# Altium PCB V1_PCB-main.PcbDoc (part 5 of 7) (continued)
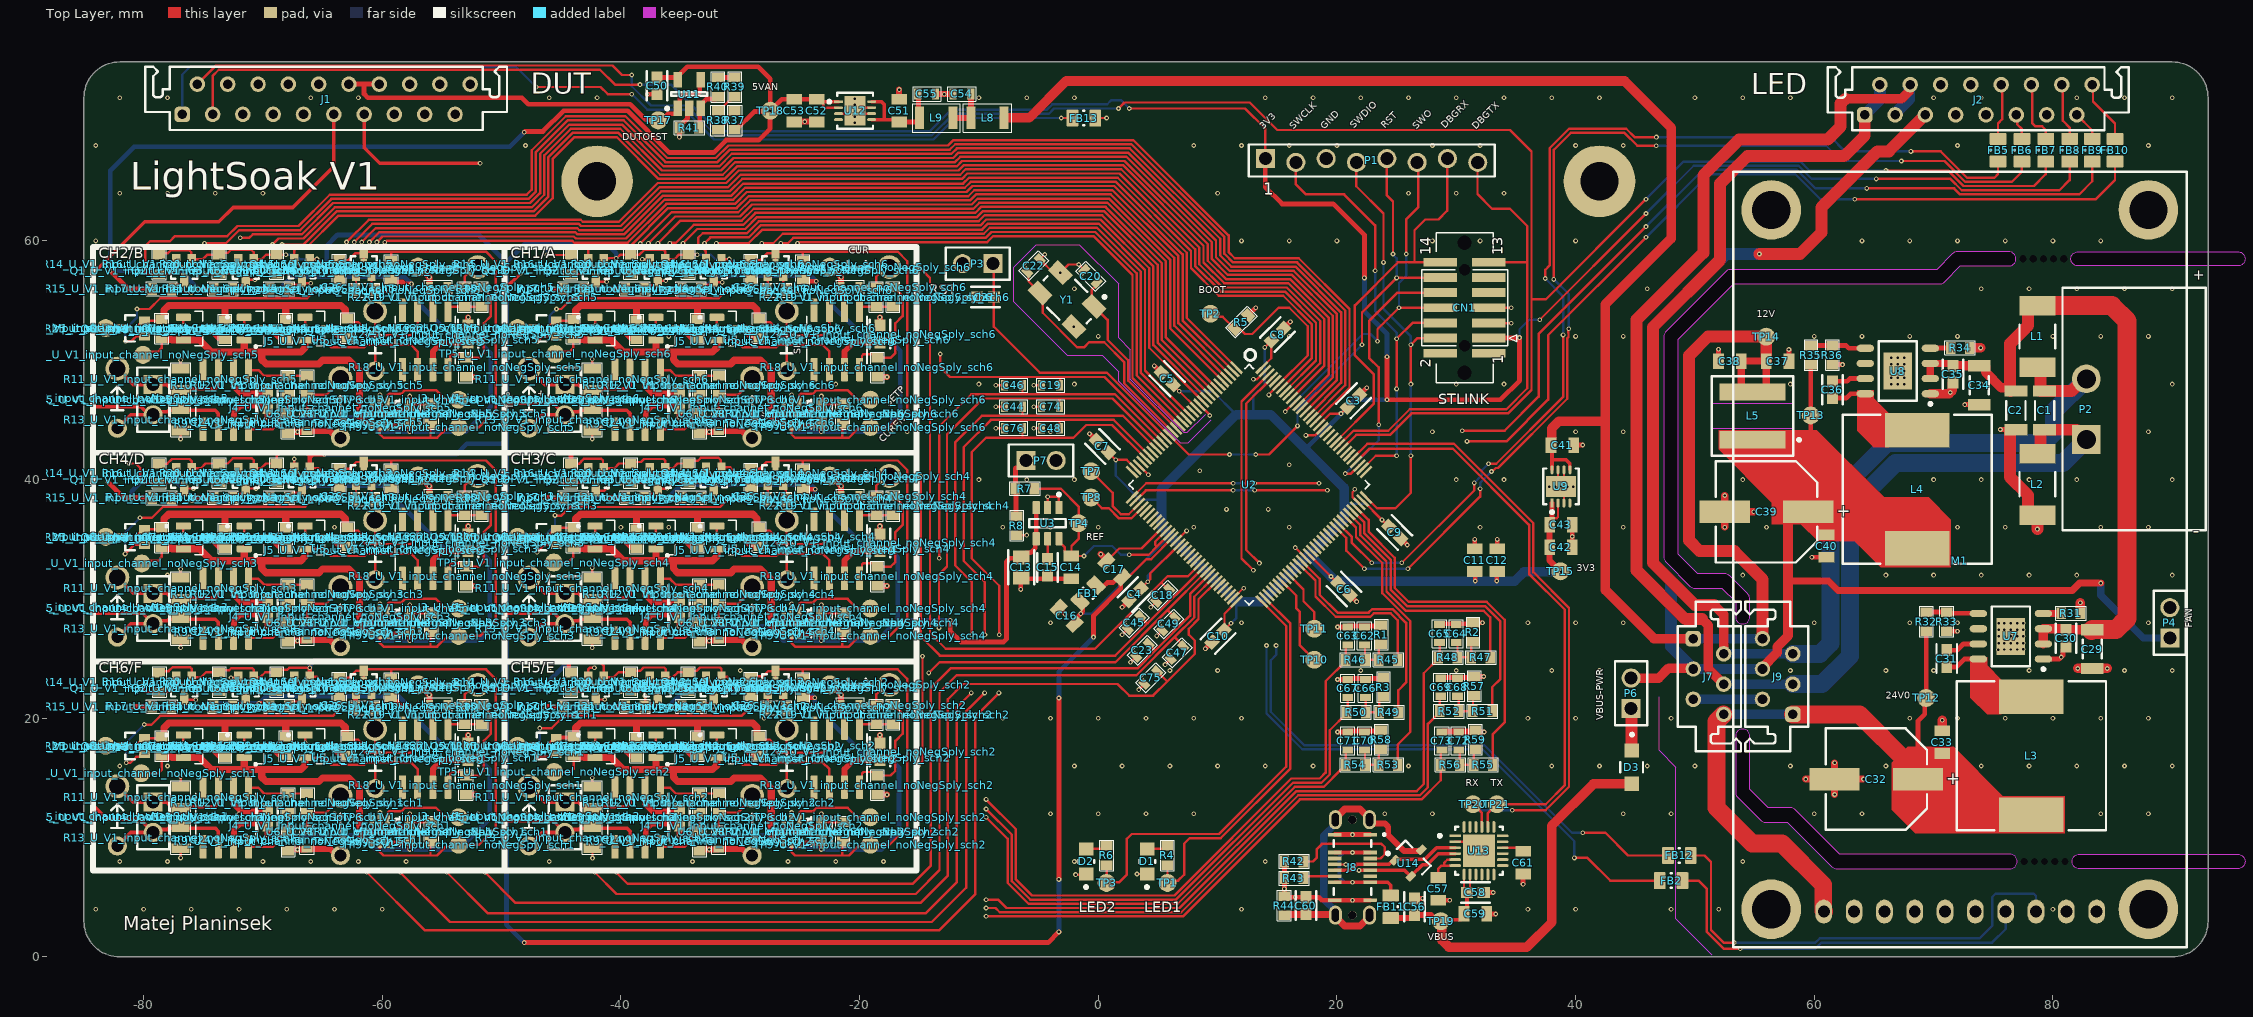
[diagram p0: Top Layer view]
## Nets (pads, with @x,y where several pads share a name; then routed paths per layer and width w, separated by ;. In a path a pad name is that pad's centre, name@x,y a point inside that pad or via, vN(x,y) a via of type N, cw(c..) or ccw(c..) an arc to the next point about the centre after c; other vN are vias at no path point) (continued)
  Inner layer 2 w0.2: v1(19.2,39.1) 20.4,37.9 25.6,37.9 v1(30.9,43.2)
  Bottom Layer w0.2: v1(11.3,39.1) v1(13.1,39.1) ; v1(45.9,60.3) 51.2,65.6 58.4,65.6 60.5,63.5 v1(63.4,63.5)
LEDDRV-GPIO-1: FB5.1 U2.88 | length 89.5
  Top Layer w0.2: U2.88@20.186,36.264 21.25,35.2 21.25,34.7 v1(22.925,33.025) ; v1(25.425,33.025) 31.5,39.1 v1(31.5,39.725) ; v1(32.7,41.325) 33.35,41.325 38.95,46.925 v1(38.95,52.125) ; v1(37.45,56.85) 37.45,57.575 37.825,57.95 37.825,67.77 39.455,69.4 44.245,69.4 44.947,68.697 v1(46.772,68.697) ; v1(68.1,67.5) 70.6,67.5 72.8,65.3 75.1,65.3 75.4,65.6 FB5.1@75.4,66.65
  Bottom Layer w0.2: v1(22.925,33.025) v1(25.425,33.025) ; v1(31.5,39.725) 32.119,40.344 32.119,40.744 v1(32.7,41.325) ; v1(37.45,56.85) 38.95,55.35 v1(38.95,52.125) ; v1(46.772,68.697) 61.378,68.697 62.575,67.5 v1(68.1,67.5)
LEDDRV-GPIO-2: FB6.2 U2.87 | length 92.2
  Top Layer w0.2: U2.87@19.904,35.982 20.775,35.111 20.775,34.05 v1(22.3,32.525) ; v1(25.95,32.525) 32,38.575 v1(32,39.225) ; v1(32.95,40.675) 33.004,40.675 33.304,40.975 33.495,40.975 39.3,46.78 39.3,51.839 39.4,51.939 39.4,52.311 39.397,52.315 39.397,52.622 v1(39.425,52.65) ; v1(38.175,56.775) 38.175,67.625 39.6,69.05 44.1,69.05 45.175,67.975 v1(46.75,67.975) ; v1(67.3,66.7) 70.905,66.7 72.655,64.95 76.55,64.95 77.4,65.8 FB6.2@77.4,66.65
  Bottom Layer w0.2: v1(22.3,32.525) v1(25.95,32.525) ; v1(32,39.225) 32,39.725 v1(32.95,40.675) ; v1(38.175,56.775) 38.2,56.775 39.425,55.55 v1(39.425,52.65) ; v1(46.75,67.975) 61,67.975 62.275,66.7 v1(67.3,66.7)
MCU-BOOT1: R5.2 TP2.1 U2.123 | length 17.5
  Top Layer w0.2: TP2.1@9.4,53.9 9.649,53.651 10.417,53.651 R5.2@11.434,52.634 11.859,52.634 12.293,52.2 12.9,52.2 15.103,54.403 16.003,54.403 17.55,52.855 17.55,50.403 U2.123@15.11,47.963 14.3,47.153 v1(14.3,47.1)
MCU-COMMS-RX: TP20.1 U2.101 U13.21 | length 53
  Top Layer w0.2: U2.101@21.314,41.76 22.554,43 29.8,43 36.45,36.35 36.45,32.245 39.45,29.245 39.45,14.255 37.495,12.3 v1(34.7,12.3) ; v1(31.4,12.8) 32.15,12.05 U13.21@32.15,10.89
  Bottom Layer w0.2: v1(31.4,12.8) 31.9,12.3 v1(34.7,12.3)
MCU-COMMS-TX: TP21.1 U2.100 U13.20 | length 49.2
  Top Layer w0.2: U2.100@21.596,41.478 22.718,42.6 29.7,42.6 36.1,36.2 36.1,32.1 39.1,29.1 39.1,14.4 37.5,12.8 TP21.1@33.4,12.8 32.65,12.05 U13.20@32.65,10.89
MCU-NRST: C21.1 CN1.12 P1.5 P3.1 U2.21 | length 66
  Top Layer w0.2: P3.1@-8.83,58.1 -8.748,58.018 C21.1@-8.748,55.3 -8.748,52.806 -4.893,48.95 0.732,48.95 U2.21@5.949,43.733 7.582,42.1 v1(11,42.1) ; v1(13.2,42.1) 14.3,42.1 v1(16.7,44.5) ; v1(22.1,51.3) 22.1,54 v1(25,56.9) 28.628,56.9 CN1.12@28.668,56.94 ; P1.5@24.16,66.8 24.16,63.84 24.7,63.3 v1(24.7,58.9)
  Bottom Layer w0.2: v1(11,42.1) v1(13.2,42.1) ; v1(16.7,44.5) 16.7,45.9 v1(22.1,51.3) ; v1(24.7,58.9) 24.7,58.846 25,58.546 v1(25,56.9)
MCU-SWCLK: CN1.6 P1.2 U2.98 | length 37.7
  Top Layer w0.2: P1.2@16.54,66.8 16.54,64.76 17.4,63.9 20.6,63.9 23.2,61.3 v1(23.2,57.5) ; U2.98@22.16,40.914 23.246,42 v1(25,42) ; v1(25,47.6) v1(25,51.8) 26.33,53.13 CN1.6@28.668,53.13
  Bottom Layer w0.2: v1(23.2,57.5) 23.2,54.127 25,52.327 v1(25,51.8) ; v1(25,42) v1(25,47.6)
MCU-SWDIO: CN1.4 P1.4 U2.96 | length 37.2
  Top Layer w0.2: P1.4@21.62,66.8 21.62,64.58 23.9,62.3 v1(23.9,58.2) ; U2.96@22.442,38.52 23.361,37.6 24.9,37.6 26.2,38.9 v1(26.2,42) ; v1(26.2,48) v1(26.2,51.3) 26.76,51.86 CN1.4@28.668,51.86
  Bottom Layer w0.2: v1(23.9,58.2) 23.9,54.3 26.2,52 v1(26.2,51.3) ; v1(26.2,42) v1(26.2,48)
MCU-SWO: CN1.8 P1.6 U2.118 | length 32
  Top Layer w0.2: v1(15.667,45.7) U2.118@16.52,46.553 ; v1(23.4,51.6) 23.4,52.6 v1(25.2,54.4) CN1.8@28.668,54.4 ; v1(25.8,58.9) 25.8,61.8 26.8,62.8 26.8,66.7 P1.6@26.7,66.8
  Bottom Layer w0.2: v1(15.667,45.7) 22.167,52.2 22.8,52.2 v1(23.4,51.6) ; v1(25.2,54.4) 25.2,56.464 25.8,57.064 v1(25.8,58.9)
MCU-VREF: C14.2 R7.1 TP4.1 U2.43 U2.44 U3.6 | length 22
  Top Layer w0.2: R7.1@-5.346,39.246 -3.146,39.246 -1.646,37.746 TP4.1@-1.646,36.346 -1.646,35.029 -2.246,34.429 C14.2@-2.246,33.596 ; U3.6@-3.296,35.046 -3.296,34.796 -2.796,34.296 -2.796,33.946 -2.446,33.596 C14.2@-2.246,33.596 ; v1(-1.2,33.6) -2.243,33.6 C14.2@-2.246,33.596 ; v1(2.6,33.7) 4.231,33.7 4.915,34.385 ; U2.43@5.667,35.7 4.775,34.808 4.775,34.525 4.915,34.385 ; U2.44@5.949,35.418 4.915,34.385
  Bottom Layer w0.2: v1(-1.2,33.6) -0.366,34.434 1.166,34.434 1.9,33.7 v1(2.6,33.7)
MCU_DBG_RX: CN1.14 P1.7 U2.106 | length 32.4
  Top Layer w0.2: U2.106@19.904,43.169 23.1,46.366 23.1,48.8 21.5,50.4 21.5,54.6 25.11,58.21 26.5,58.21 ; CN1.14@28.668,58.21 26.5,58.21 ; P1.7@29.24,66.8 29.24,62.54 28.5,61.8 27.4,61.8 26.5,60.9 26.5,58.21
MCU_DBG_TX: CN1.13 P1.8 U2.105 | length 42.7
  Top Layer w0.2: U2.105@20.186,42.887 21.398,44.1 24.3,44.1 26.1,45.9 34.2,45.9 35.95,47.65 35.95,58.21 35.95,61.25 34.5,62.7 33,62.7 31.78,63.92 P1.8@31.78,66.8 ; CN1.13@32.732,58.21 35.93,58.21 35.95,58.19
MCU_TDI: CN1.10 U2.99 | length 22.7
  Top Layer w0.2: v1(20.7,40.5) 21.182,40.5 U2.99@21.878,41.196 ; v1(23.5,44.6) 23.5,49.4 22.7,50.2 22.7,53.3 25.07,55.67 CN1.10@28.668,55.67
  Bottom Layer w0.2: v1(20.7,40.5) 23.5,43.3 v1(23.5,44.6)
NetC15_1: C15.1 U3.5 | length 1.7
  Top Layer w0.2: C15.1@-4.246,33.348 U3.5@-4.246,35.046
NetC20_1: C20.1 U2.19 Y1.1 | length 15.3
  Top Layer w0.2: C20.1@-0.115,56.509 -0.115,56.332 -0.556,55.89 -0.556,54.723 Y1.1@-0.344,54.511 0.787,53.38 0.787,51.718 2.519,49.986 2.519,48.292 U2.19@6.513,44.297
NetC22_1: C22.1 U2.20 Y1.3 | length 20.3
  Top Layer w0.2: C22.1@-5.948,57.393 -5.842,57.286 -5.842,56.615 Y1.3@-4.87,55.642 -4.658,55.43 -4.658,53.981 -1.759,51.082 -1.193,51.082 -0.769,51.506 0.504,51.506 2.169,49.842 2.169,48.078 U2.20@6.231,44.015
NetC31_1: C31.1 U7.7 | length 2.9
  Top Layer w0.4: C31.1@71.1,25.702 71.977,25.702 72.505,26.23 U7.7@73.75,26.23
NetC31_2: C31.2 L3.1 U7.8 | length 2.9
  Top Layer w0.4: C31.2@71.1,24.298 71.923,24.298 72.585,24.96 U7.8@73.75,24.96
NetC36_1: C36.1 U8.7 | length 2.8
  Top Layer w0.4: C36.1@61.525,48.237 62.762,48.237 62.99,48.465 U8.7@64.275,48.465
NetC36_2: C36.2 L4.1 U8.8 | length 2.9
  Top Layer w0.4: C36.2@61.525,46.833 62.683,46.833 63.045,47.195 U8.8@64.275,47.195
NetC51_2: C51.2 C55.2 L9.2 U12.5 U12.8 | length 8.9
  Top Layer w0.3: U12.5@-18.994,70.166 -17.938,70.166 ; U12.8@-18.994,71.666 -18.166,71.666 -17.938,71.438 -17.938,70.166 ; C51.2@-16.682,69.966 -16.882,70.166 -17.938,70.166
  Top Layer w0.4: C51.2@-16.682,69.966 -15.16,69.966 -14.979,70.147 L9.2@-14.979,70.316 -15.1,70.437 -15.055,70.482 -15.055,72.239 C55.2@-15.132,72.316
NetC54_2: C54.2 L8.2 L9.1 | length 3.5
  Top Layer w0.5: L9.1@-12.185,70.316 L8.2@-10.679,70.316 -10.68,70.317 -10.68,72.314 C54.2@-10.682,72.316
NetC61_2: C61.2 U13.16 | length 1.8
  Top Layer w0.2: U13.16@33.89,9.15 35.3,9.15 C61.2@35.6,8.85
NetC62_2: C62.2 R1.1 R45.1 R46.2 | length 3.8
  Top Layer w0.2: C62.2@22.3,26.15 22.35,26.1 R46.2@22.35,24.9 R45.1@23.5,24.9 23.5,26 R1.1@23.7,26.2
NetC64_2: C64.2 R2.1 R47.1 R48.2 | length 3.8
  Top Layer w0.2: C64.2@30,26.35 30.1,26.25 R48.2@30.1,25.1 R47.1@31.25,25.1 31.25,26.25 R2.1@31.4,26.4
NetC66_2: C66.2 R3.1 R49.1 R50.2 | length 3.9
  Top Layer w0.2: C66.2@22.4,21.75 R50.2@22.4,20.5 R49.1@23.55,20.5 23.55,21.5 23.85,21.8 R3.1@23.9,21.8
NetC68_2: C68.2 R51.1 R52.2 R57.1 | length 3.8
  Top Layer w0.2: C68.2@30.1,21.85 30.2,21.75 R52.2@30.2,20.6 R51.1@31.4,20.6 31.4,21.8 R57.1@31.5,21.9
NetC70_2: C70.2 R53.1 R54.2 R58.1 | length 3.8
  Top Layer w0.2: C70.2@22.3,17.35 22.35,17.3 R54.2@22.35,16.1 R53.1@23.5,16.1 23.5,17.2 R58.1@23.7,17.4
NetC72_2: C72.2 R55.1 R56.2 R59.1 | length 3.8
  Top Layer w0.2: C72.2@30.2,17.35 30.3,17.25 R56.2@30.3,16.1 R55.1@31.45,16.1 31.45,17.25 R59.1@31.6,17.4
NetD1_2: D1.2 R4.2 | length 1.8
  Top Layer w0.2: D1.2@4.1,9.05 5.55,9.05 R4.2@5.8,9.3
NetD2_2: D2.2 R6.2 | length 1.8
  Top Layer w0.2: D2.2@-1,9.05 0.45,9.05 R6.2@0.7,9.3
NetD3_1: D3.1 P6.1 | length 3.6
  Top Layer w1: P6.1@44.65,20.83 44.675,20.805 44.675,17.325 D3.1@44.7,17.3
NetFB2_1: FB2.1 M1.7 | length 33.7
  Top Layer w0.2: FB2.1@48.95,6.4 50.3,6.4 51,5.7 51,2.1 52.4,0.7 v1(53.8,0.7)
  Bottom Layer w0.2: v1(53.8,0.7) 60.1,0.7 60.6,1.2 74.9,1.2 76.04,2.34 M1.7@76.04,3.8
NetFB5_2: FB5.2 J2.10 | length 4.7
  Top Layer w0.2: FB5.2@75.4,68.55 75.4,69.85 75.74,70.19 75.74,73.02 J2.10@75.66,73.1
NetFB6_1: FB6.1 J2.11 | length 2.2
  Top Layer w0.2: J2.11@76.93,70.56 77.01,70.48 77.01,69.765 77.4,69.375 FB6.1@77.4,68.55
NetFB7_2: FB7.2 J2.12 | length 5.4
  Top Layer w0.2: J2.12@78.2,73.1 78.28,73.02 78.28,69.845 78.525,69.6 79.1,69.6 79.4,69.3 FB7.2@79.4,68.55
NetFB8_2: FB8.2 J2.14 | length 4.8
  Top Layer w0.2: J2.14@80.74,73.1 80.82,73.02 80.82,70.08 81.4,69.5 FB8.2@81.4,68.55
NetFB9_1: FB9.1 J2.15 | length 2.5
  Top Layer w0.2: J2.15@82.01,70.56 83.3,69.27 FB9.1@83.3,68.55
NetFB10_2: FB10.2 J2.16 | length 5.3
  Top Layer w0.2: J2.16@83.28,73.1 83.36,73.02 83.36,71.69 85.2,69.85 FB10.2@85.2,68.55
NetFB11_1: FB11.1 J8.A4 J8.A9 J8.B4 J8.B9 | length 12.8
  Top Layer w0.3: J8.B4@19.815,6.25 v1(21.3,6.25) J8.A9@22.785,6.25 24.25,6.25 24.5,6 FB11.1@24.5,5.15 ; J8.B9@19.815,8.75 v1(21.3,8.75) J8.A4@22.785,8.75
  Bottom Layer w0.3: v1(21.3,6.25) 20.65,6.25 20.2,6.7 20.2,8.4 20.55,8.75 v1(21.3,8.75)
NetFB12_1: FB12.1 M1.8 | length 39.8
  Top Layer w0.2: FB12.1@49.65,8.5 50.8,8.5 51.35,7.95 51.35,2.245 52.395,1.2 v1(53.3,1.2)
  Bottom Layer w0.2: v1(53.3,1.2) 60.105,1.2 60.455,1.55 73.85,1.55 74.9,2.6 74.9,5 75.2,5.3 78.4,5.3 78.58,5.12 M1.8@78.58,3.8
NetJ5_U_V1_input_channel_noNegSply_sch1_NEG: J5_U_V1_input_channel_noNegSply_sch1.NEG Q6_U_V1_input_channel_noNegSply_sch1.2 Q7_U_V1_input_channel_noNegSply_sch1.2 Q8_U_V1_input_channel_noNegSply_sch1.2 R25_U_V1_input_channel_noNegSply_sch1.1 TP5_U_V1_input_channel_noNegSply_sch1.1 U5_U_V1_input_channel_noNegSply_sch1.6 U6_U_V1_input_channel_noNegSply_sch1.3 U6_U_V1_input_channel_noNegSply_sch1.4 | length 47.5
  Top Layer w0.2: TP5_U_V1_input_channel_noNegSply_sch1.1@-80.2,15.4 -78.75,15.4 -78.487,15.663 R25_U_V1_input_channel_noNegSply_sch1.1@-78.487,16.853 ; Q8_U_V1_input_channel_noNegSply_sch1.2@-66.467,16.703 -64.903,16.703 -64.3,16.1 -61.5,16.1 -61.3,16.3 -60.6,16.3 ; U6_U_V1_input_channel_noNegSply_sch1.4@-60.85,9.55 -60.85,9.737 U6_U_V1_input_channel_noNegSply_sch1.3@-60.85,11.45 ; J5_U_V1_input_channel_noNegSply_sch1.NEG@-60.6,14.1 -60.6,16.3 ; U5_U_V1_input_channel_noNegSply_sch1.6@-57.035,14.225 -57.035,15.735 -57.6,16.3 -60.6,16.3
  Top Layer w0.4: -61.9,10.3 -61.337,9.737 U6_U_V1_input_channel_noNegSply_sch1.4@-60.85,9.737
  Top Layer w0.6: R25_U_V1_input_channel_noNegSply_sch1.1@-78.487,16.853 -78.387,16.753 -77.653,16.753 -77.608,16.708 -76.672,16.708 Q6_U_V1_input_channel_noNegSply_sch1.2@-76.667,16.703 -75.303,16.703 -74.3,15.7 -71.5,15.7 ; Q7_U_V1_input_channel_noNegSply_sch1.2@-71.567,16.703 -71.567,15.767 -71.5,15.7 ; Q8_U_V1_input_channel_noNegSply_sch1.2@-66.467,16.703 -66.467,16.051 -66.818,15.7 -70.1,15.7 ; -61.9,10.3 -61.9,14.1 -62.8,15 -65,15 -65.3,14.7 -69.749,14.7 -70.1,15.051 -70.1,15.7 ; -71.5,15.7 -70.1,15.7
NetJ5_U_V1_input_channel_noNegSply_sch1_POS: J5_U_V1_input_channel_noNegSply_sch1.POS Q5_U_V1_input_channel_noNegSply_sch1.2 R25_U_V1_input_channel_noNegSply_sch1.2 R26_U_V1_input_channel_noNegSply_sch1.2 R28_U_V1_input_channel_noNegSply_sch1.2 R29_U_V1_input_channel_noNegSply_sch1.2 U5_U_V1_input_channel_noNegSply_sch1.3 | length 32.7
  Top Layer w0.2: Q5_U_V1_input_channel_noNegSply_sch1.2@-80.55,17.85 -80.515,17.85 -80.29,18.075 -80.175,18.075 Q5_U_V1_input_channel_noNegSply_sch1.2@-79.925,18.325 -78.614,18.325 R25_U_V1_input_channel_noNegSply_sch1.2@-78.487,18.453 R25_U_V1_input_channel_noNegSply_sch1.2@-78.587,18.453 ; R29_U_V1_input_channel_noNegSply_sch1.2@-62.9,18.5 -62.6,18.2 -62.017,18.2 -61.8,17.983 -61.8,17.5 -61.4,17.1 -60.6,17.1 ; J5_U_V1_input_channel_noNegSply_sch1.POS@-60.562,19.1 J5_U_V1_input_channel_noNegSply_sch1.POS@-60.6,19.1 -60.6,17.1 ; U5_U_V1_input_channel_noNegSply_sch1.3@-57.035,19.175 -57.035,17.665 -57.6,17.1 -60.6,17.1
  Top Layer w0.6: R25_U_V1_input_channel_noNegSply_sch1.2@-78.487,18.453 -78.387,18.453 -78.287,18.553 -78.287,19.213 -77.9,19.6 -73.187,19.6 ; R26_U_V1_input_channel_noNegSply_sch1.2@-73.187,18.353 -73.187,19.6 ; R28_U_V1_input_channel_noNegSply_sch1.2@-68.087,18.453 -68.087,19.587 -68.1,19.6 ; R29_U_V1_input_channel_noNegSply_sch1.2@-62.9,18.5 -63,18.5 -63.1,18.6 -63.1,19.249 -63.451,19.6 -68.1,19.6 ; J5_U_V1_input_channel_noNegSply_sch1.POS@-60.65,19.15 J5_U_V1_input_channel_noNegSply_sch1.POS@-60.6,19.1 ; -73.187,19.6 -68.1,19.6
NetJ5_U_V1_input_channel_noNegSply_sch2_NEG: J5_U_V1_input_channel_noNegSply_sch2.NEG Q6_U_V1_input_channel_noNegSply_sch2.2 Q7_U_V1_input_channel_noNegSply_sch2.2 Q8_U_V1_input_channel_noNegSply_sch2.2 R25_U_V1_input_channel_noNegSply_sch2.1 TP5_U_V1_input_channel_noNegSply_sch2.1 U5_U_V1_input_channel_noNegSply_sch2.6 U6_U_V1_input_channel_noNegSply_sch2.3 U6_U_V1_input_channel_noNegSply_sch2.4 | length 47.3
  Top Layer w0.2: TP5_U_V1_input_channel_noNegSply_sch2.1@-45.6,15.5 -44.25,15.5 -43.969,15.781 -43.969,16.836 R25_U_V1_input_channel_noNegSply_sch2.1@-43.987,16.853 ; Q8_U_V1_input_channel_noNegSply_sch2.2@-31.967,16.703 -30.403,16.703 -29.8,16.1 -27,16.1 -26.8,16.3 -26.1,16.3 ; U6_U_V1_input_channel_noNegSply_sch2.4@-26.35,9.55 -26.35,9.737 U6_U_V1_input_channel_noNegSply_sch2.3@-26.35,11.45 ; J5_U_V1_input_channel_noNegSply_sch2.NEG@-26.1,14.1 -26.1,16.3 ; U5_U_V1_input_channel_noNegSply_sch2.6@-22.535,14.225 -22.535,15.735 -23.1,16.3 -26.1,16.3
  Top Layer w0.4: -27.4,10.3 -26.837,9.737 U6_U_V1_input_channel_noNegSply_sch2.4@-26.35,9.737
  Top Layer w0.6: R25_U_V1_input_channel_noNegSply_sch2.1@-43.987,16.853 -43.887,16.753 -43.153,16.753 -43.108,16.708 -42.172,16.708 Q6_U_V1_input_channel_noNegSply_sch2.2@-42.167,16.703 -40.803,16.703 -39.8,15.7 -37,15.7 ; Q7_U_V1_input_channel_noNegSply_sch2.2@-37.067,16.703 -37.067,15.767 -37,15.7 ; Q8_U_V1_input_channel_noNegSply_sch2.2@-31.967,16.703 -31.967,16.051 -32.318,15.7 -35.6,15.7 ; -27.4,10.3 -27.4,14.1 -28.3,15 -30.5,15 -30.8,14.7 -35.249,14.7 -35.6,15.051 -35.6,15.7 ; -37,15.7 -35.6,15.7
NetJ5_U_V1_input_channel_noNegSply_sch2_POS: J5_U_V1_input_channel_noNegSply_sch2.POS Q5_U_V1_input_channel_noNegSply_sch2.2 R25_U_V1_input_channel_noNegSply_sch2.2 R26_U_V1_input_channel_noNegSply_sch2.2 R28_U_V1_input_channel_noNegSply_sch2.2 R29_U_V1_input_channel_noNegSply_sch2.2 U5_U_V1_input_channel_noNegSply_sch2.3 | length 32.6
  Top Layer w0.2: R25_U_V1_input_channel_noNegSply_sch2.2@-44.087,18.453 R25_U_V1_input_channel_noNegSply_sch2.2@-43.987,18.453 ; R29_U_V1_input_channel_noNegSply_sch2.2@-28.4,18.5 -28.1,18.2 -27.517,18.2 -27.3,17.983 -27.3,17.5 -26.9,17.1 -26.1,17.1 ; J5_U_V1_input_channel_noNegSply_sch2.POS@-26.062,19.1 J5_U_V1_input_channel_noNegSply_sch2.POS@-26.1,19.1 -26.1,17.1 ; U5_U_V1_input_channel_noNegSply_sch2.3@-22.535,19.175 -22.535,17.665 -23.1,17.1 -26.1,17.1
  Top Layer w0.3: Q5_U_V1_input_channel_noNegSply_sch2.2@-46,17.9 -45.95,17.9 -45.525,18.325 Q5_U_V1_input_channel_noNegSply_sch2.2@-45.425,18.325 -45.361,18.389 -44.05,18.389 R25_U_V1_input_channel_noNegSply_sch2.2@-43.987,18.453
  Top Layer w0.6: R25_U_V1_input_channel_noNegSply_sch2.2@-43.987,18.453 -43.887,18.453 -43.787,18.553 -43.787,19.213 -43.4,19.6 -38.687,19.6 ; R26_U_V1_input_channel_noNegSply_sch2.2@-38.687,18.353 -38.687,19.6 ; R28_U_V1_input_channel_noNegSply_sch2.2@-33.587,18.453 -33.587,19.587 -33.6,19.6 ; R29_U_V1_input_channel_noNegSply_sch2.2@-28.4,18.5 -28.5,18.5 -28.6,18.6 -28.6,19.249 -28.951,19.6 -33.6,19.6 ; J5_U_V1_input_channel_noNegSply_sch2.POS@-26.15,19.15 J5_U_V1_input_channel_noNegSply_sch2.POS@-26.1,19.1 ; -38.687,19.6 -33.6,19.6
NetJ5_U_V1_input_channel_noNegSply_sch3_NEG: J5_U_V1_input_channel_noNegSply_sch3.NEG Q6_U_V1_input_channel_noNegSply_sch3.2 Q7_U_V1_input_channel_noNegSply_sch3.2 Q8_U_V1_input_channel_noNegSply_sch3.2 R25_U_V1_input_channel_noNegSply_sch3.1 TP5_U_V1_input_channel_noNegSply_sch3.1 U5_U_V1_input_channel_noNegSply_sch3.6 U6_U_V1_input_channel_noNegSply_sch3.3 U6_U_V1_input_channel_noNegSply_sch3.4 | length 47.2
  Top Layer w0.2: TP5_U_V1_input_channel_noNegSply_sch3.1@-80.15,32.975 -79.925,33.2 -78.8,33.2 -78.487,33.513 R25_U_V1_input_channel_noNegSply_sch3.1@-78.487,34.353 ; Q8_U_V1_input_channel_noNegSply_sch3.2@-66.467,34.203 -64.903,34.203 -64.3,33.6 -61.5,33.6 -61.3,33.8 -60.6,33.8 ; U6_U_V1_input_channel_noNegSply_sch3.4@-60.85,27.05 -60.85,27.237 U6_U_V1_input_channel_noNegSply_sch3.3@-60.85,28.95 ; J5_U_V1_input_channel_noNegSply_sch3.NEG@-60.6,31.6 -60.6,33.8 ; U5_U_V1_input_channel_noNegSply_sch3.6@-57.035,31.725 -57.035,33.235 -57.6,33.8 -60.6,33.8
  Top Layer w0.4: -61.9,27.8 -61.337,27.237 U6_U_V1_input_channel_noNegSply_sch3.4@-60.85,27.237
  Top Layer w0.6: R25_U_V1_input_channel_noNegSply_sch3.1@-78.487,34.353 -78.387,34.253 -77.653,34.253 -77.608,34.208 -76.672,34.208 Q6_U_V1_input_channel_noNegSply_sch3.2@-76.667,34.203 -75.303,34.203 -74.3,33.2 -71.5,33.2 ; Q7_U_V1_input_channel_noNegSply_sch3.2@-71.567,34.203 -71.567,33.267 -71.5,33.2 ; Q8_U_V1_input_channel_noNegSply_sch3.2@-66.467,34.203 -66.467,33.551 -66.818,33.2 -70.1,33.2 ; -61.9,27.8 -61.9,31.6 -62.8,32.5 -65,32.5 -65.3,32.2 -69.749,32.2 -70.1,32.551 -70.1,33.2 ; -71.5,33.2 -70.1,33.2
NetJ5_U_V1_input_channel_noNegSply_sch3_POS: J5_U_V1_input_channel_noNegSply_sch3.POS Q5_U_V1_input_channel_noNegSply_sch3.2 R25_U_V1_input_channel_noNegSply_sch3.2 R26_U_V1_input_channel_noNegSply_sch3.2 R28_U_V1_input_channel_noNegSply_sch3.2 R29_U_V1_input_channel_noNegSply_sch3.2 U5_U_V1_input_channel_noNegSply_sch3.3 | length 32.6
  Top Layer w0.2: Q5_U_V1_input_channel_noNegSply_sch3.2@-80.55,35.35 -80.515,35.35 -80.29,35.575 -80.175,35.575 Q5_U_V1_input_channel_noNegSply_sch3.2@-79.925,35.825 -78.714,35.825 -78.587,35.953 R25_U_V1_input_channel_noNegSply_sch3.2@-78.487,35.953 ; R29_U_V1_input_channel_noNegSply_sch3.2@-62.9,36 -62.6,35.7 -62.017,35.7 -61.8,35.483 -61.8,35 -61.4,34.6 -60.6,34.6 ; J5_U_V1_input_channel_noNegSply_sch3.POS@-60.562,36.6 J5_U_V1_input_channel_noNegSply_sch3.POS@-60.6,36.6 -60.6,34.6 ; U5_U_V1_input_channel_noNegSply_sch3.3@-57.035,36.675 -57.035,35.165 -57.6,34.6 -60.6,34.6
  Top Layer w0.6: R25_U_V1_input_channel_noNegSply_sch3.2@-78.487,35.953 -78.387,35.953 -78.287,36.053 -78.287,36.713 -77.9,37.1 -73.187,37.1 ; R26_U_V1_input_channel_noNegSply_sch3.2@-73.187,35.853 -73.187,37.1 ; R28_U_V1_input_channel_noNegSply_sch3.2@-68.087,35.953 -68.087,37.087 -68.1,37.1 ; R29_U_V1_input_channel_noNegSply_sch3.2@-62.9,36 -63,36 -63.1,36.1 -63.1,36.749 -63.451,37.1 -68.1,37.1 ; J5_U_V1_input_channel_noNegSply_sch3.POS@-60.65,36.65 J5_U_V1_input_channel_noNegSply_sch3.POS@-60.6,36.6 ; -73.187,37.1 -68.1,37.1
NetJ5_U_V1_input_channel_noNegSply_sch4_NEG: J5_U_V1_input_channel_noNegSply_sch4.NEG Q6_U_V1_input_channel_noNegSply_sch4.2 Q7_U_V1_input_channel_noNegSply_sch4.2 Q8_U_V1_input_channel_noNegSply_sch4.2 R25_U_V1_input_channel_noNegSply_sch4.1 TP5_U_V1_input_channel_noNegSply_sch4.1 U5_U_V1_input_channel_noNegSply_sch4.6 U6_U_V1_input_channel_noNegSply_sch4.3 U6_U_V1_input_channel_noNegSply_sch4.4 | length 47.2
  Top Layer w0.2: TP5_U_V1_input_channel_noNegSply_sch4.1@-45.625,33.05 -44.45,33.05 -43.987,33.513 R25_U_V1_input_channel_noNegSply_sch4.1@-43.987,34.353 ; Q8_U_V1_input_channel_noNegSply_sch4.2@-31.967,34.203 -30.403,34.203 -29.8,33.6 -27,33.6 -26.8,33.8 -26.1,33.8 ; U6_U_V1_input_channel_noNegSply_sch4.4@-26.35,27.05 -26.35,27.237 U6_U_V1_input_channel_noNegSply_sch4.3@-26.35,28.95 ; J5_U_V1_input_channel_noNegSply_sch4.NEG@-26.1,31.6 -26.1,33.8 ; U5_U_V1_input_channel_noNegSply_sch4.6@-22.535,31.725 -22.535,33.235 -23.1,33.8 -26.1,33.8
  Top Layer w0.4: -27.4,27.8 -26.837,27.237 U6_U_V1_input_channel_noNegSply_sch4.4@-26.35,27.237
  Top Layer w0.6: R25_U_V1_input_channel_noNegSply_sch4.1@-43.987,34.353 -43.887,34.253 -43.153,34.253 -43.108,34.208 -42.172,34.208 Q6_U_V1_input_channel_noNegSply_sch4.2@-42.167,34.203 -40.803,34.203 -39.8,33.2 -37,33.2 ; Q7_U_V1_input_channel_noNegSply_sch4.2@-37.067,34.203 -37.067,33.267 -37,33.2 ; Q8_U_V1_input_channel_noNegSply_sch4.2@-31.967,34.203 -31.967,33.551 -32.318,33.2 -35.6,33.2 ; -27.4,27.8 -27.4,31.6 -28.3,32.5 -30.5,32.5 -30.8,32.2 -35.249,32.2 -35.6,32.551 -35.6,33.2 ; -37,33.2 -35.6,33.2
NetJ5_U_V1_input_channel_noNegSply_sch4_POS: J5_U_V1_input_channel_noNegSply_sch4.POS Q5_U_V1_input_channel_noNegSply_sch4.2 R25_U_V1_input_channel_noNegSply_sch4.2 R26_U_V1_input_channel_noNegSply_sch4.2 R28_U_V1_input_channel_noNegSply_sch4.2 R29_U_V1_input_channel_noNegSply_sch4.2 U5_U_V1_input_channel_noNegSply_sch4.3 | length 32.6
  Top Layer w0.2: Q5_U_V1_input_channel_noNegSply_sch4.2@-46.05,35.35 -46.015,35.35 -45.79,35.575 -45.675,35.575 Q5_U_V1_input_channel_noNegSply_sch4.2@-45.425,35.825 -45.297,35.953 R25_U_V1_input_channel_noNegSply_sch4.2@-43.987,35.953 ; R29_U_V1_input_channel_noNegSply_sch4.2@-28.4,36 -28.1,35.7 -27.517,35.7 -27.3,35.483 -27.3,35 -26.9,34.6 -26.1,34.6 ; J5_U_V1_input_channel_noNegSply_sch4.POS@-26.062,36.6 J5_U_V1_input_channel_noNegSply_sch4.POS@-26.1,36.6 -26.1,34.6 ; U5_U_V1_input_channel_noNegSply_sch4.3@-22.535,36.675 -22.535,35.165 -23.1,34.6 -26.1,34.6
  Top Layer w0.6: R25_U_V1_input_channel_noNegSply_sch4.2@-43.987,35.953 -43.887,35.953 -43.787,36.053 -43.787,36.713 -43.4,37.1 -38.687,37.1 ; R26_U_V1_input_channel_noNegSply_sch4.2@-38.687,35.853 -38.687,37.1 ; R28_U_V1_input_channel_noNegSply_sch4.2@-33.587,35.953 -33.587,37.087 -33.6,37.1 ; R29_U_V1_input_channel_noNegSply_sch4.2@-28.4,36 -28.5,36 -28.6,36.1 -28.6,36.749 -28.951,37.1 -33.6,37.1 ; J5_U_V1_input_channel_noNegSply_sch4.POS@-26.15,36.65 J5_U_V1_input_channel_noNegSply_sch4.POS@-26.1,36.6 ; -38.687,37.1 -33.6,37.1
NetJ5_U_V1_input_channel_noNegSply_sch5_NEG: J5_U_V1_input_channel_noNegSply_sch5.NEG Q6_U_V1_input_channel_noNegSply_sch5.2 Q7_U_V1_input_channel_noNegSply_sch5.2 Q8_U_V1_input_channel_noNegSply_sch5.2 R25_U_V1_input_channel_noNegSply_sch5.1 TP5_U_V1_input_channel_noNegSply_sch5.1 U5_U_V1_input_channel_noNegSply_sch5.6 U6_U_V1_input_channel_noNegSply_sch5.3 U6_U_V1_input_channel_noNegSply_sch5.4 | length 47.1
  Top Layer w0.2: TP5_U_V1_input_channel_noNegSply_sch5.1@-80.05,50.45 -79.801,50.699 -78.801,50.699 -78.487,51.013 R25_U_V1_input_channel_noNegSply_sch5.1@-78.487,51.853 ; Q8_U_V1_input_channel_noNegSply_sch5.2@-66.467,51.703 -64.903,51.703 -64.3,51.1 -61.5,51.1 -61.3,51.3 -60.6,51.3 ; U6_U_V1_input_channel_noNegSply_sch5.4@-60.85,44.55 -60.85,44.737 U6_U_V1_input_channel_noNegSply_sch5.3@-60.85,46.45 ; J5_U_V1_input_channel_noNegSply_sch5.NEG@-60.6,49.1 -60.6,51.3 ; U5_U_V1_input_channel_noNegSply_sch5.6@-57.035,49.225 -57.035,50.735 -57.6,51.3 -60.6,51.3
  Top Layer w0.4: -61.9,45.3 -61.337,44.737 U6_U_V1_input_channel_noNegSply_sch5.4@-60.85,44.737
  Top Layer w0.6: R25_U_V1_input_channel_noNegSply_sch5.1@-78.487,51.853 -78.387,51.753 -77.653,51.753 -77.608,51.708 -76.672,51.708 Q6_U_V1_input_channel_noNegSply_sch5.2@-76.667,51.703 -75.303,51.703 -74.3,50.7 -71.5,50.7 ; Q7_U_V1_input_channel_noNegSply_sch5.2@-71.567,51.703 -71.567,50.767 -71.5,50.7 ; Q8_U_V1_input_channel_noNegSply_sch5.2@-66.467,51.703 -66.467,51.051 -66.818,50.7 -70.1,50.7 ; -61.9,45.3 -61.9,49.1 -62.8,50 -65,50 -65.3,49.7 -69.749,49.7 -70.1,50.051 -70.1,50.7 ; -71.5,50.7 -70.1,50.7
NetJ5_U_V1_input_channel_noNegSply_sch5_POS: J5_U_V1_input_channel_noNegSply_sch5.POS Q5_U_V1_input_channel_noNegSply_sch5.2 R25_U_V1_input_channel_noNegSply_sch5.2 R26_U_V1_input_channel_noNegSply_sch5.2 R28_U_V1_input_channel_noNegSply_sch5.2 R29_U_V1_input_channel_noNegSply_sch5.2 U5_U_V1_input_channel_noNegSply_sch5.3 | length 32.8
  Top Layer w0.2: Q5_U_V1_input_channel_noNegSply_sch5.2@-80.55,52.85 -80.515,52.85 -80.29,53.075 -80.175,53.075 Q5_U_V1_input_channel_noNegSply_sch5.2@-79.925,53.325 -78.514,53.325 -78.387,53.453 R25_U_V1_input_channel_noNegSply_sch5.2@-78.287,53.553 ; R25_U_V1_input_channel_noNegSply_sch5.2@-78.587,53.453 R25_U_V1_input_channel_noNegSply_sch5.2@-78.487,53.453 ; R29_U_V1_input_channel_noNegSply_sch5.2@-62.9,53.5 -62.6,53.2 -62.017,53.2 -61.8,52.983 -61.8,52.5 -61.4,52.1 -60.6,52.1 ; J5_U_V1_input_channel_noNegSply_sch5.POS@-60.562,54.1 J5_U_V1_input_channel_noNegSply_sch5.POS@-60.6,54.1 -60.6,52.1 ; U5_U_V1_input_channel_noNegSply_sch5.3@-57.035,54.175 -57.035,52.665 -57.6,52.1 -60.6,52.1
  Top Layer w0.6: R25_U_V1_input_channel_noNegSply_sch5.2@-78.487,53.453 R25_U_V1_input_channel_noNegSply_sch5.2@-78.387,53.453 ; R25_U_V1_input_channel_noNegSply_sch5.2@-78.287,53.553 -78.287,54.213 -77.9,54.6 -73.187,54.6 ; R26_U_V1_input_channel_noNegSply_sch5.2@-73.187,53.353 -73.187,54.6 ; R28_U_V1_input_channel_noNegSply_sch5.2@-68.087,53.453 -68.087,54.587 -68.1,54.6 ; R29_U_V1_input_channel_noNegSply_sch5.2@-62.9,53.5 -63,53.5 -63.1,53.6 -63.1,54.249 -63.451,54.6 -68.1,54.6 ; J5_U_V1_input_channel_noNegSply_sch5.POS@-60.65,54.15 J5_U_V1_input_channel_noNegSply_sch5.POS@-60.6,54.1 ; -73.187,54.6 -68.1,54.6